# Altium PCB CATS-EUROC.PcbDoc (part 1 of 2) (continued)
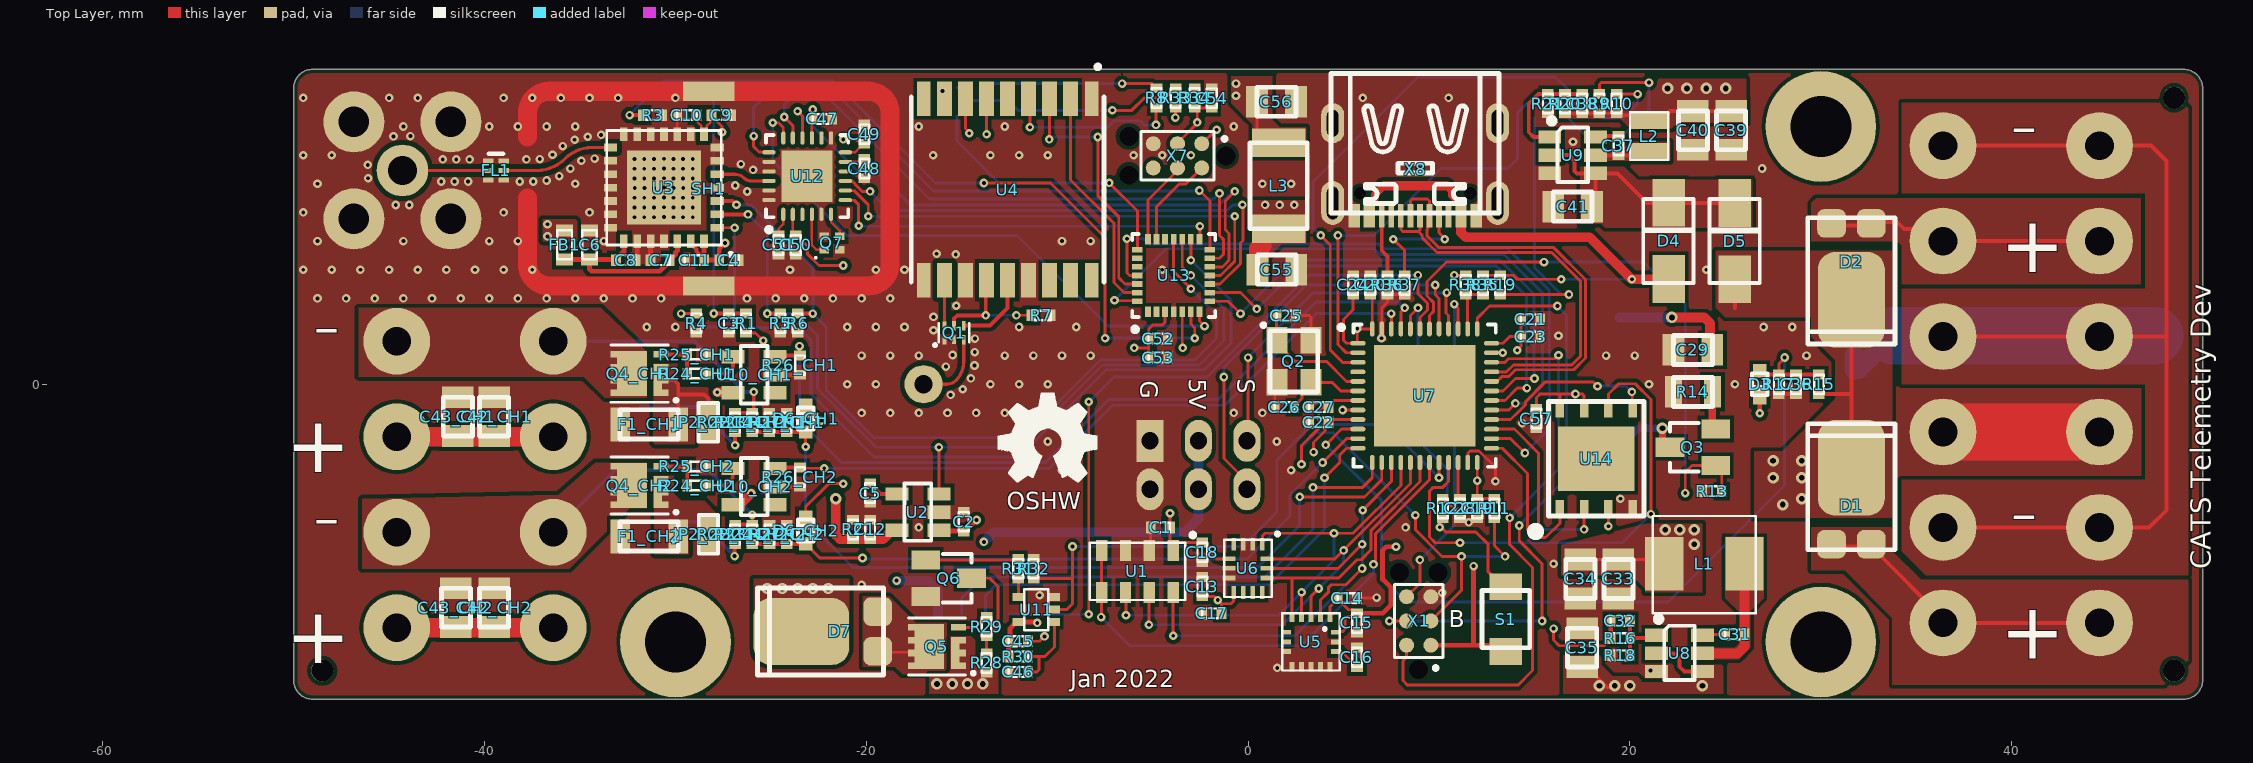
[diagram p0: Top Layer view]
## Components (designator, comment, footprint, x,y, rotation, side; value= is the part's Value field where it differs from the comment) (continued)
R25_CH1 "10k" "SMD Widerstand 0402" -28.876,1.559 r180 top (schematic designator R25)
R25_CH2 "10k" "SMD Widerstand 0402" -28.875,-4.305 r180 top (schematic designator R25)
R26_CH1 "10k" "SMD Widerstand 0402" -23.476,1 r90 top (schematic designator R26)
R26_CH2 "10k" "SMD Widerstand 0402" -23.475,-4.864 r90 top (schematic designator R26)
R27_CH1 "10k" "SMD Widerstand 0402" -24.176,-2 r270 top (schematic designator R27)
R27_CH2 "10k" "SMD Widerstand 0402" -24.175,-7.864 r270 top (schematic designator R27)
R28 "10k" "SMD Widerstand 0402" -13.7,-14.6 r270 top
R29 "1.0k" "SMD Widerstand 0402" -13.7,-12.7 r90 top
R30 "10k" "SMD Widerstand 0402" -12.039,-14.263 r180 top
R31 "1.0k" "SMD Widerstand 0402" -12.039,-9.663 r270 top
R32 "1.0k" "SMD Widerstand 0402" -11.239,-9.663 r270 top
R33 "1.0k" "SMD Widerstand 0402" -3.8,15 r270 top
R34 "10k" "SMD Widerstand 0402" -2.8,15 r90 top
R35 "5.1k" "SMD Widerstand 0402" 12.3,5.2 r270 top
R36 "5.1k" "SMD Widerstand 0402" 7.3,5.2 r90 top
R37 "5.1k" "SMD Widerstand 0402" 8.2,5.2 r90 top
R38 "10k" "SMD Widerstand 0402" 11.4,5.2 r90 top
S1 "SMD-Button" "SMD BUTTON 2.5X3X1.2" 13.5,-12.3 r0 top
SH1 "RF-Shield" "SMD SHIELD MS183-10" -28.25,10.25 r0 top locked
U1 "MS5607-02BA03" "SMD IC BARO MS5607" -5.8,-9.8 r270 top
U2 "TPS793285DBVR" "SMD IC SOT-23-5" -17.3,-6.7 r0 top
U3 "SKY65383-11" "SMD IC 28-MCM" -30.6,10.3 r180 top
U4 "MAX-8" "SMD MAX-8" -12.6,10.2 r180 top
U5 "ICM-20601" "SMD IC LGA-16 5/3" 3.292,-13.495 r270 top
U6 "LSM6DSO32" "SMD IC LGA-14" -0.008,-9.644 r270 top
U7 "STM32F411CEU6" "SMD IC QFN-48" 9.25,-0.6 r270 top
U8 "RT6254AHGJ6F" "SMD IC TSOT-23-6" 22.6,-14.1 r270 top
U9 "RT6254AHGJ6F" "SMD IC TSOT-23-6" 17,12 r270 top
U10_CH1 "TF0216-USQ" "SMD IC SOT-23-5" -25.876,0.5 r0 top (schematic designator U10)
U10_CH2 "TF0216-USQ" "SMD IC SOT-23-5" -25.875,-5.364 r0 top (schematic designator U10)
U11 "TC7S08FU,LF" "SMD IC SSOP5-P-0.65A (SOT353-1)" -11.1,-11.8 r0 top
U12 "SX1280IMLTRT" "SMD IC QFN-24" -23.1,10.9 r90 top
U13 "STM32G071GBU6" "SMD IC QFN-28 4x4" -3.9,5.7 r0 top
U14 "W25Q128JVPIM" "SMD IC WSON-8 (6x5)" 18.235,-3.9 r90 top
X1 "TC2030-CTX-NL" "SMD Connector TC2030" 8.935,-14.94 r90 top
X2 "WAGO 2604-1106" "THT PCB TERMINAL WAGO 2604-1106" 40.5,0 r90 bottom locked
X3 "WAGO 2604-1104" "THT PCB TERMINAL WAGO 2604-1104" -40.5,-5.25 r270 bottom locked
X4 "JST GH 5-Pin" "SMD Connector JST GH-5" -15,-13.5 r180 bottom
X5 "Servo Connector" "THT Stiftleiste 6-Pol (2x3) 90°" -2.6,-4.23 r0 bottom
X6 "SMA" "THT Buchse SMA Female" -44.3,11.2 r270 bottom locked
X7 "TC2030-CTX-NL" "SMD Connector TC2030" -1.16,11.965 r180 top
X8 "USB 2.0 Typ-C" "THT USB-C Socket (A40-00119)" 8.75,11.25 r0 top locked

## Footprints (in the part's own frame and the unit in brackets; to place one, negate y for a bottom-side part, rotate by r counter-clockwise, add the part's x,y. Pads: shape width x height; smd on the part's side, far side on the other; paste and mask are expansions set on the pad)
"SMD BUTTON 2.5X3X1.2" [mm] "SMD_LED_RED"
  rect 1.7x1.4 smd: 1(0,-1.7) 2(0,1.7)
  silkscreen extent -1.25,-1.5 1.25,1.5, body extent -1.25,-2 1.25,2, height 1.6
"SMD BUZZER CMT-8504" [mm]
  rect 2.5x2.5 smd: 1(-3.45,3.4) 2(-3.45,-3.4) NC(3.45,-3.4) NC(3.45,3.4)
  silkscreen extent -4.55,-4.2 4.25,6.2, body extent -4.3,-4.28 4.23,4.25, height 4
"SMD Connector JST GH-5" [mm]
  rect 0.6x1.25 smd: 1(-2.5,1.45) 2(-1.25,1.45) 3(0,1.45) 4(1.25,1.45) 5(2.5,1.45)
  rect 1x2.7 smd: NC(-4.35,-1.45) NC(4.35,-1.45)
  silkscreen extent -4.8,-2.9 4.8,1.6, body extent -4.75,-2.85 4.75,2, height 4.35
"SMD Connector TC2030" [mm]
  round 0.787 smd: 1(1.27,-0.635) 2(1.27,0.635) 3(2.54,-0.635) 4(2.54,0.635) 5(3.81,-0.635) 6(3.81,0.635)
  round 0.1 hole 0.991: NC(0,0) NC(5.08,-1.016) NC(5.08,1.016)
  silkscreen extent 0,-1.27 4.44,1.27
"SMD Crystal 1.2X1.0X0.35" [mm] "SMD_LED_RED"
  rect 0.5x0.4 smd: 1(-0.4,-0.35) 2(0.4,0.35) 3(-0.4,0.35) 3(0.4,-0.35)
  silkscreen extent -0.9,-0.82 -0.8,-0.73, body extent -0.6,-0.5 0.6,0.5, height 0.35
"SMD Crystal 3.2X2.5X0.8" [mm] "SMD_LED_RED"
  rect 1.4x1.1 smd: 1(-1.1,-0.9) 2(1.1,0.9) 3(-1.1,0.9) 3(1.1,-0.9)
  silkscreen extent -2,-1.7 1.6,1.25, body extent -1.65,-1.3 1.65,1.3, height 0.8
"SMD DIODE SMAF" [mm]
  rect 2.5x1.7 smd: A(2,0) K(-2,0)
  silkscreen extent -2.2,-1.33 2.2,1.3, body extent -2.65,-1.27 2.65,1.27, height 1
"SMD DIODE SOD-523" [mm] "SM LED; 2 Flat Leads"
  rect 0.7x0.7 smd: A(0.7,0) K(-0.7,0)
  silkscreen extent -0.58,-0.4 0.57,0.4, body extent -0.8,-0.4 0.8,0.4, height 0.7
"SMD DIODE TO-277" [mm]
  rrect50% 1.5x1.5 smd: A(3,1.04) A(3,-1.04)
  rrect50% 5x3.5 smd: K(-1,0)
  silkscreen extent -3.31,-2.29 3.29,2.29, body extent -3.32,-2.38 3.33,2.37, height 1.2
"SMD Elko 6.3x7.7" [mm]
  rect 3.5x1.5 smd: M(-2.6,0) P(2.6,0)
  silkscreen extent -3.5,-3.3 3.8,3.6, body extent -3.5,-3.3 3.5,3.3, height 7.7
"SMD Ferrite Bead 0402" [mil]
  rect 20x24 smd: 1(-20,0) 2(20,0)
  silkscreen extent -20,-10 20,10, body extent -20,-10 20,10, height 20
"SMD Ferrite Bead 0603" [mil]
  rect 25x35 smd: 1(-30,0) 2(30,0)
  silkscreen extent -30,-15 30,15, body extent -31,-16 31,16, height 33
"SMD Filter 2450LP14A100T" [mm]
  rect 0.55x0.25 smd: 1(-0.4,0.5) 2(-0.4,0) 3(-0.4,-0.5) 4(0.4,-0.5) 5(0.4,0) 6(0.4,0.5)
  silkscreen extent -0.38,-0.87 0.38,-0.87, body extent -0.5,-0.8 0.4,1.1, height 4.12
"SMD IC 28-MCM" [mm]
  rect 3.875x3.875 smd: 0(0,0)
  rect 0.7x0.4 smd: 1(-2.8,2.1) 2(-2.8,1.4) 3(-2.8,0.7) 4(-2.8,0) 5(-2.8,-0.7) 6(-2.8,-1.4) 7(-2.8,-2.1) 15(2.8,-2.1) 16(2.8,-1.4) 17(2.8,-0.7) 18(2.8,0) 19(2.8,0.7) 20(2.8,1.4) 21(2.8,2.1)
  rect 0.4x0.7 smd: 8(-2.1,-2.8) 9(-1.4,-2.8) 10(-0.7,-2.8) 11(0,-2.8) 12(0.7,-2.8) 13(1.4,-2.8) 14(2.1,-2.8) 22(2.1,2.8) 23(1.4,2.8) 24(0.7,2.8) 25(0,2.8) 26(-0.7,2.8) 27(-1.4,2.8) 28(-2.1,2.8)
  silkscreen extent -3.58,-3 3,3.58, body extent -3,-3 3,3, height 0.85
"SMD IC BARO MS5607" [mm]
  rect 1.1x0.6 smd: 1(-1.1,1.875) 2(-1.1,0.625) 3(-1.1,-0.625) 4(-1.1,-1.875) 5(1.1,-1.875) 6(1.1,-0.625) 7(1.1,0.625) 8(1.1,1.875)
  silkscreen extent -2,-2.5 1.5,3, body extent -1.5,-2.5 1.5,2.5, height 0.95
"SMD IC LGA-14" [mm]
  rect 0.675x0.25 smd: 1(-1.262,0.75) 2(-1.262,0.25) 3(-1.262,-0.25) 4(-1.262,-0.75) 8(1.263,-0.75) 9(1.263,-0.25) 10(1.263,0.25) 11(1.263,0.75)
  rect 0.25x0.675 smd: 5(-0.5,-1.004) 6(0,-1.004) 7(0.5,-1.004) 12(0.5,1.004) 13(0,1.004) 14(-0.5,1.004)
  silkscreen extent -1.86,-1.25 1.5,1.61, body extent -1.5,-1.25 1.5,1.25, height 0.84
"SMD IC LGA-16 5/3" [mm]
  rect 0.5x0.25 smd: 1(-1.3,1) 2(-1.3,0.5) 3(-1.3,0) 4(-1.3,-0.5) 5(-1.3,-1) 9(1.3,-1) 10(1.3,-0.5) 11(1.3,0) 12(1.3,0.5) 13(1.3,1)
  rect 0.25x0.5 smd: 6(-0.5,-1.3) 7(0,-1.3) 8(0.5,-1.3) 14(0.5,1.3) 15(0,1.3) 16(-0.5,1.3)
  silkscreen extent -1.5,-1.5 1.5,1.5, body extent -1.5,-1.5 1.5,1.5, height 1
"SMD IC QFN-24" [mm] "QFN, 24-Leads, Body 4x4mm, Pitch 0.5mm, Thermal Pad 2.68x2.68mm, IPC Medium Density"
  rect 2.68x2.68 smd: 0(0,0)
  oval 0.7x0.22 smd: 1(-2,1.25) 2(-2,0.75) 3(-2,0.25) 4(-2,-0.25) 5(-2,-0.75) 6(-2,-1.25) 13(2,-1.25) 14(2,-0.75) 15(2,-0.25) 16(2,0.25) 17(2,0.75) 18(2,1.25)
  oval 0.22x0.7 smd: 7(-1.25,-2) 8(-0.75,-2) 9(-0.25,-2) 10(0.25,-2) 11(0.75,-2) 12(1.25,-2) 19(1.25,2) 20(0.75,2) 21(0.25,2) 22(-0.25,2) 23(-0.75,2) 24(-1.25,2)
  silkscreen extent -2.92,-2.15 2.15,2.15, body extent -2,-2 2,2, height 0.9
"SMD IC QFN-28 4x4" [mm] "QFN, 28-Leads"
  rect 0.3x0.55 smd: 1(-1.35,-1.9) 2(-0.9,-1.9) 3(-0.45,-1.9) 4(0,-1.9) 5(0.45,-1.9) 6(0.9,-1.9) 7(1.35,-1.9) 15(1.35,1.9) 16(0.9,1.9) 17(0.45,1.9) 18(0,1.9) 19(-0.45,1.9) 20(-0.9,1.9) 21(-1.35,1.9)
  rect 0.55x0.3 smd: 8(1.9,-1.35) 9(1.9,-0.9) 10(1.9,-0.45) 11(1.9,0) 12(1.9,0.45) 13(1.9,0.9) 14(1.9,1.35) 22(-1.9,1.35) 23(-1.9,0.9) 24(-1.9,0.45) 25(-1.9,0) 26(-1.9,-0.45) 27(-1.9,-0.9) 28(-1.9,-1.35)
  silkscreen extent -2.17,-2.95 2.17,2.17, body extent -2,-2 2,2, height 0.8
"SMD IC QFN-48" [mm] "QFN, 48-Leads, Body 7x7mm, Pitch 0.5mm, IPC Medium Density"
  oval 0.25x0.8 smd: 1(-2.75,-3.5) 2(-2.25,-3.5) 3(-1.75,-3.5) 4(-1.25,-3.5) 5(-0.75,-3.5) 6(-0.25,-3.5) 7(0.25,-3.5) 8(0.75,-3.5) 9(1.25,-3.5) 10(1.75,-3.5) 11(2.25,-3.5) 12(2.75,-3.5) 25(2.75,3.5) 26(2.25,3.5) 27(1.75,3.5) 28(1.25,3.5) 29(0.75,3.5) 30(0.25,3.5) 31(-0.25,3.5) 32(-0.75,3.5) 33(-1.25,3.5) 34(-1.75,3.5) 35(-2.25,3.5) 36(-2.75,3.5)
  oval 0.8x0.25 smd: 13(3.5,-2.75) 14(3.5,-2.25) 15(3.5,-1.75) 16(3.5,-1.25) 17(3.5,-0.75) 18(3.5,-0.25) 19(3.5,0.25) 20(3.5,0.75) 21(3.5,1.25) 22(3.5,1.75) 23(3.5,2.25) 24(3.5,2.75) 37(-3.5,2.75) 38(-3.5,2.25) 39(-3.5,1.75) 40(-3.5,1.25) 41(-3.5,0.75) 42(-3.5,0.25) 43(-3.5,-0.25) 44(-3.5,-0.75) 45(-3.5,-1.25) 46(-3.5,-1.75) 47(-3.5,-2.25) 48(-3.5,-2.75)
  rect 5.3x5.3 smd: PAD(0,0)
  silkscreen extent -3.72,-4.5 3.72,3.72, body extent -3.51,-3.51 3.51,3.51, height 0.78
"SMD IC SOT-23-5" [mm]
  rect 1.2x0.7 smd: 1(1.1,-0.95) 2(1.1,0) 3(1.1,0.95) 4(-1.1,0.95) 5(-1.1,-0.95)
  silkscreen extent -0.7,-1.5 0.7,1.5, body extent -1.3,-1.5 1.2,1.5, height 1.1
"SMD IC SSOP5-P-0.65A (SOT353-1)" [mm]
  rect 0.6x0.42 smd: 1(0.95,-0.65) 2(0.95,0) 3(0.95,0.65) 4(-0.95,0.65) 5(-0.95,-0.65)
  silkscreen extent -0.64,-1.09 0.64,1.07, body extent -1.05,-1.08 1.05,1.07, height 0.93
"SMD IC TSOT-23-6" [mm] "SOT-223/SC-73; 4 Leads; Body 6.7 x 7.3 mm, inc. leads (LxW max)"
  rect 0.7x1.2 smd: 1(-0.95,-1.2) 2(0,-1.2) 3(0.95,-1.2) 4(0.95,1.2) 5(0,1.2) 6(-0.95,1.2)
  silkscreen extent -1.9,-1.2 1.4,0.8, body extent -1.5,-1.4 1.5,1.4, height 0.86
"SMD IC WSON-8 (6x5)" [mm]
  rect 0.9x0.45 smd: 1(-2.6,1.905) 2(-2.6,0.635) 3(-2.6,-0.635) 4(-2.6,-1.905) 5(2.6,-1.905) 6(2.6,-0.635) 7(2.6,0.635) 8(2.6,1.905)
  rect 3.4x4 smd: PAD(0,0)
  silkscreen extent -4.01,-2.5 3,3.37, body extent -3,-2.5 3,2.5, height 0.75
"SMD Inductor 2x2.5x1.2" [mm]
  rect 0.85x2 smd: 1(-0.8,0) 2(0.8,0)
  silkscreen extent -1.25,-1 1.25,1, body extent -1.25,-1 1.25,1, height 1.2
"SMD Inductor 5.5x5.2x3" [mm]
  rect 2x2.79 smd: 1(-2.1,0) 2(2.1,0)
  silkscreen extent -2.7,-2.5 2.7,2.6, body extent -2.73,-2.55 2.73,2.6, height 2.89
"SMD Inductor 1812" [mm]
  rect 1.5x2.8 smd: 1(-2.25,0) 2(2.25,0)
  silkscreen extent -2.25,-1.5 2.25,1.5, body extent -2.25,-1.6 2.25,1.6, height 3.2
"SMD Keramikkondensator 0402" [mil]
  rect 20x24 smd: 1(-20,0) 2(20,0)
  silkscreen extent -20,-10 20,10, body extent -20,-10 20,10, height 20
"SMD Keramikkondensator 0603" [mil]
  rect 25x35 smd: 1(-30,0) 2(30,0)
  silkscreen extent -30,-15 30,15, body extent -31,-16 32,16, height 32
"SMD Keramikkondensator 0805" [mil]
  rect 45x65 smd: 1(-40,0) 2(40,0)
  silkscreen extent -40,-30 40,30, body extent -39,-25 39,25, height 31
"SMD LED 0603" [mm] "SMD_LED_RED"
  rect 0.8x0.8 smd: A(0.8,0) K(-0.7,0)
  silkscreen extent -0.75,-0.4 0.85,0.4, body extent -0.79,-0.36 0.86,0.37, height 0.68
"SMD LNA AW5105DNR" [mm]
  rect 0.2x0.5 smd: 1(-0.5,-0.375) 3(0.5,-0.375) 4(0.5,0.375) 5(0,0.375)
  rect 0.2x0.45 smd: 2(0,-0.375) 6(-0.5,0.375)
  silkscreen extent -1.02,-0.67 0.8,0.5, body extent -0.75,-0.5 0.75,0.5, height 0.55
"SMD MAX-8" [mm]
  rect 0.7x1.8 smd paste-10: 1(-4.4,-4.75) 9(4.4,-4.75) 10(4.4,4.75) 18(-4.4,4.75)
  rect 0.8x1.8 smd paste-10: 2(-3.3,-4.75) 3(-2.2,-4.75) 4(-1.1,-4.75) 5(0,-4.75) 6(1.1,-4.75) 7(2.2,-4.75) 8(3.3,-4.75) 11(3.3,4.75) 12(2.2,4.75) 13(1.1,4.75) 14(0,4.75) 15(-1.1,4.75) 16(-2.2,4.75) 17(-3.3,4.75)
  silkscreen extent -5.05,-6.52 5.05,4.85, body extent -5.05,-4.85 5.05,4.85, height 2.5
"SMD MOSFET DFN 3x3 EP" [mm]
  rect 0.35x0.8 smd: D(-1.005,1.125) D(-0.335,1.125) D(0.335,1.125) D(1.005,1.125) G(1.005,-1.125) S(-1.005,-1.125) S(-0.335,-1.125) S(0.335,-1.125)
  rect 2.36x1.55 smd: D(0,0.4)
  rect 1.68x0.45 smd: S(-0.341,-0.947)
  silkscreen extent -1.5,-1.96 1.5,1.5, body extent -1.5,-1.63 1.5,1.5, height 0.5
"SMD MOSFET SOT-23" [mm]
  rect 1.5x1 smd: D(-1.2,0) G(1.2,-0.95) S(1.2,0.95)
  silkscreen extent -1.2,-1.28 0.3,1.27, body extent -1.2,-1.5 1.3,1.5, height 1.1
"SMD PPTC-Fuse 1206" [mil]
  rect 40x70 smd: 1(-60,0) 2(60,0)
  silkscreen extent -60,-30 60,30, body extent -63,-33 63,33, height 22
"SMD SHIELD MS183-10" [mm]
  rect 2.7x1 smd mask+0.102: 1(0,-5.1) 1(0,5.1)
  Top Layer lines w1: -9.5,-0.5 -9.5,-3.95 ccw(c-8.35,-3.95) -8.35,-5.1 8.35,-5.1 ccw(c8.35,-3.95) 9.5,-3.95 ; -9.5,2.7 -9.5,3.95 ; -9.5,3.95 ccw(c-9.5,3.95) -9.5,3.95 ; -9.5,3.95 cw(c-8.35,3.95) -8.35,5.1 8.35,5.1 cw(c8.35,3.95) 9.5,3.95 9.5,-3.95 ; 9.5,-3.95 ccw(c9.5,-3.95) 9.5,-3.95
  body extent -9.65,-5.25 9.65,5.25, height 3
"SMD Solder Jumper 1x2mm" [mm] "SOT-223/SC-73; 4 Leads; Body 6.7 x 7.3 mm, inc. leads (LxW max)"
  rect 0.9x0.9 smd: 1(-0.559,0) 2(0.559,0)
  silkscreen extent -1.02,-0.51 1.02,0.51
"SMD TRANSISTOR SOT-23" [mm]
  rect 1.5x1 smd: B(1.149,-0.95) C(-1.251,0) E(1.149,0.95)
  silkscreen extent -1.25,-1.28 0.25,1.27, body extent -1.25,-1.5 1.25,1.5, height 1.1
"SMD Widerstand 0402" [mil]
  rect 20x24 smd: 1(-20,0) 2(20,0)
  silkscreen extent -20,-10 20,10, body extent -20,-10 20,10, height 14
"SMD Widerstand 0805" [mil]
  rect 35x65 smd: 1(-40,0) 2(40,0)
  silkscreen extent -40,-30 40,30, body extent -45,-27 45,27, height 30
"THT Antenna GNSS 18x18" [mm]
  round 2 hole 0.95: 1(0,1.1)
  silkscreen extent -9,-9 9,9, body extent -9,-11 9,9, height 2.6
"THT Buchse SMA Female" [mm]
  round 2.7 hole 1.5: 1(0,0)
  round 3.2 hole 1.6: 2(-2.54,-2.54) 2(-2.54,2.54) 2(2.54,-2.54) 2(2.54,2.54)
  silkscreen extent -5,-4 5,16.5, body extent -5.1,-4 5.1,16.5, height 11.5
"THT PCB TERMINAL WAGO 2604-1104" [mm]
  round 3.5 hole 1.5: 1(-7.5,-4.1) 1(-7.5,4.1) 2(-2.5,-4.1) 2(-2.5,4.1) 3(2.5,-4.1) 3(2.5,4.1) 4(7.5,-4.1) 4(7.5,4.1)
  silkscreen extent -11.3,-6.9 11.1,9.6, body extent -11.3,-7 11.1,12.2, height 16.7
"THT PCB TERMINAL WAGO 2604-1106" [mm]
  round 3.5 hole 1.5: 1(-12.5,-4.1) 1(-12.5,4.1) 2(-7.5,-4.1) 2(-7.5,4.1) 3(-2.5,-4.1) 3(-2.5,4.1) 4(2.5,-4.1) 4(2.5,4.1) 5(7.5,-4.1) 5(7.5,4.1) 6(12.5,-4.1) 6(12.5,4.1)
  silkscreen extent -16.5,-6.9 15.5,9.6, body extent -16.25,-6.95 16.15,12.25, height 16.7
"THT Stiftleiste 6-Pol (2x3) 90°" [mm]
  rect 1.4x2.2 hole 0.9: 1(-2.54,-1.27)
  oval 1.4x2.2 hole 0.9: 2(-2.54,1.27) 3(0,-1.27) 4(0,1.27) 5(2.54,-1.27) 6(2.54,1.27)
  silkscreen extent -3.81,-2.54 3.81,12.19, body extent -3.81,-1.58 3.81,12.15, height 5.63
"THT USB-C Socket (A40-00119)" [mm]
  rect 0.6x1.25 smd: A1B12(3.2,-2.425) A4B9(2.4,-2.425) B1A12(-3.2,-2.425) B4A9(-2.4,-2.425)
  rect 0.3x1.25 smd: A5(1.25,-2.425) A6(0.25,-2.425) A7(-0.25,-2.425) A8(-1.25,-2.425) B5(-1.75,-2.425) B6(-0.75,-2.425) B7(0.75,-2.425) B8(1.75,-2.425)
  oval 1.2x2.1 hole 0.6 slot 1.4 at 90 deg: G1(4.32,2.425) G3(-4.32,2.425)
  oval 1.2x2.3 hole 0.6 slot 1.7 at 90 deg: G2(4.32,-1.755) G4(-4.32,-1.755)
  round 0 hole 0.65 unplated: NC(-2.89,-1.255) NC(2.89,-1.255)
  silkscreen extent -4.4,-2.27 4.4,5.03, body extent -4.35,-2.75 4.6,5, height 3.26

## Part data
ANT1: "1.575GHz GPS Ceramic Patch RF Antenna 1.573GHz ~ 1.577GHz 3.3dBic Pin Adhesive", ComponentLink1Description=Datasheet, ComponentLink1URL=https://abracon.com/patchantenna/APAE1575R1820ABDC1-T.pdf, Digikey=535-11944-ND
C1 C2 C3 C4 C9 C11 C12 C13 C17 C18 C20 C22 C23 C24 C27 C31 C37 C45 C47 C48 C53 C54 C57: library part "E6 - 100nF", "SMD Ceramic Capacitor E6", Number=-, Supplier=-, Unit Price=0.01
C5 C15 C36 C44_CH1 C44_CH2 C49 C51: library part "E6 - 10nF", "SMD Ceramic Capacitor E6", Number=-, Supplier=-, Unit Price=0.01
C6: library part "E6 - 10uF", "SMD Ceramic Capacitor E6", Number=-, Supplier=-, Unit Price=0.01
C7 C8 C10 C25 C26: library part "E6 - 10pF", "SMD Ceramic Capacitor E6", Number=-, Supplier=-, Unit Price=0.01
C14: library part "E6 - 2.2uF", "SMD Ceramic Capacitor E6", Number=-, Supplier=-, Unit Price=0.01
C16 C50: library part "E6 - 470nF", "SMD Ceramic Capacitor E6", Number=-, Supplier=-, Unit Price=0.01
C19: library part "E6 - 1uF", "SMD Ceramic Capacitor E6", Number=-, Supplier=-, Unit Price=0.01
C21 C28 C46 C52: library part "E6 - 4.7uF", "SMD Ceramic Capacitor E6", Number=-, Supplier=-, Unit Price=0.01
C29 C33 C34 C35 C39 C40 C41 C42_CH1 C42_CH2 C43_CH1 C43_CH2: library part "E6 - 22uF", "SMD Ceramic Capacitor E6", Number=-, Supplier=-, Unit Price=0.01
C30: "7.7mm 6.3mm 50V 47uF 2000hrs 105? -55?~+105? SMD,6.3x7.7mm Aluminum Electrolytic Capacitors - SMD ROHS", JLC=C125975, ComponentLink1Description=Datasheet, ComponentLink1URL=https://datasheet.lcsc.com/lcsc/1809301215_Nichicon-UWT1V101MCL1GS_C125975.pdf
C32 C38: library part "E6 - 47pF", "SMD Ceramic Capacitor E6", Number=-, Supplier=-, Unit Price=0.01
C55 C56: library part "E6 - 22nF", "SMD Ceramic Capacitor E6", Number=-, Supplier=-, Unit Price=0.01
D1 D2 D7: "45V 470mV@10A 10A TO-277 Schottky Barrier Diodes", JLC=C113945, ComponentLink1Description=Datasheet, ComponentLink1URL=https://datasheet.lcsc.com/lcsc/1810252210_MDD-Microdiode-Electronics--SL1045_C65021.pdf
D3 D6_CH1 D6_CH2: "SOD-523 Schottky Barrier Diode", JLC=C345957, ComponentLink1Description=Datasheet, ComponentLink1URL=https://datasheet.lcsc.com/lcsc/1912111437_Shikues-MSK4005_C345957.pdf
D4 D5: "3A SMAF Schottky Barrier Diode", JLC=C60396, ComponentLink1Description=Datasheet, ComponentLink1URL=https://datasheet.lcsc.com/lcsc/1809211527_MDD-Microdiode-Electronics--SL34F_C113938.pdf
F1_CH1 F1_CH2: library part nSMD100-16V, "16V 1A 100A 1.8A 1206 Resettable", JLC=C70082, ComponentLink1Description=Datasheet, ComponentLink1URL=https://datasheet.lcsc.com/lcsc/1810261625_TECHFUSE-nSMD100-16V_C70082.pdf
FB1: "1 kOhms @ 100MHz 1 Power Line Ferrite Bead 0603 (1608 Metric) 1A 200mOhm", ComponentLink1Description=Datasheet, ComponentLink1URL=https://www.murata.com/en-us/products/productdata/8796738650142/ENFA0003.pdf, Digikey=490-17349-1-ND
FL1: "2.45GHz Center Frequency Low Pass RF Filter (Radio Frequency) 100MHz Bandwidth 0.5dB 0603 (1608 Metric), 6 PC Pad", ComponentLink1Description=Datasheet, ComponentLink1URL=https://www.johansontechnology.com/datasheets/2450LP14A100/2450LP14A100.pdf, Digikey=712-1129-2-ND
JP1 JP2_CH1 JP2_CH2: library part Jumper-1, "Single Position Jumper"
L1: library part "Inductor 4.7µH / 4.5A", "4.7 µH Shielded Molded Inductor 4.5 A 60mOhm Max Nonstandard", JLC=C408410, ComponentLink1Description=Datasheet, ComponentLink1URL=https://www.vishay.com/docs/34260/ihlp2020cz11.pdf, Digikey=541-1238-2-ND
L2: library part "Inductor 3.3µH / 1.15A", "1.15A 3.3uH ±20% 144mO SMD Power Inductors", JLC=C98379, ComponentLink1Description=Datasheet, ComponentLink1URL=https://datasheet.lcsc.com/lcsc/2110081330_Sunlord-SPH252012H3R3MT_C98379.pdf, Digikey=732-5680-2-ND
L3: library part "Inductor 100µH / 0.25A", "0.25A 100µH ±20% 144mO SMD Power Inductors", JLC=C76822, ComponentLink1Description=Datasheet, ComponentLink1URL=https://datasheet.lcsc.com/lcsc/2110081330_Sunlord-SPH252012H3R3MT_C98379.pdf
LS1: "Buzzers Indicator, Internally Driven Piezo 12V 10mA 3kHz 100dB @ 12V, 10cm Through Hole PC Pins", ComponentLink1Description=Datasheet, ComponentLink1URL=https://dbunlimitedco.com/images/product_images/2D-Drawings/IP303012-1.pdf, Digikey=2104-IP303012-1-ND
P1 P2 P3 P4 P5_CH1 P5_CH2 P6: "Color LED"
Q1: "BDS/GPS/GNSS INTEGRATED FRONT-END MODULE WITH / LOW NOISE AMPLIFIER AND FILTER", JLC=C506193, ComponentLink1Description=Datasheet, ComponentLink1URL=https://datasheet.lcsc.com/lcsc/2008041805_AWINIC-Shanghai-Awinic-Tech-AW5105DNR_C506193.pdf
Q2: library part Crystal, "SMD Crystal Resonators 8MHz ±10ppm SMD,3.2x2.5mm", JLC=C2682775, Digikey=535-15255-1-ND
Q3: "MOSFET N-Channel 20V / 115mA", JLC=C15127, ComponentLink1Description=Datasheet, ComponentLink1URL=https://www.onsemi.com/pub/Collateral/NDS7002A-D.PDF, Digikey=2N7002NCT-ND, Item Description="N-Channel MOSFET", Price=0.32
Q4_CH1 Q4_CH2: "N-Channel 30V 30A Surface Mount 8-DFN (3x3)", JLC=C315567, ComponentLink1Description=Datasheet, ComponentLink1URL=https://datasheet.lcsc.com/lcsc/1912111437_Alpha---Omega-Semicon-AON7544_C315567.pdf
Q5: "30V 16A 35W", JLC=C193982, ComponentLink1Description=Datasheet, ComponentLink1URL=https://datasheet.lcsc.com/lcsc/1809251724_GOFORD-G16P03_C193982.pdf
Q6: "40 V, 200 mA NPN switching transisto", JLC=C8667, ComponentLink1Description=Datasheet, ComponentLink1URL=https://datasheet.lcsc.com/lcsc/2105201004_Nexperia-PMBT3904-215_C8667.pdf
Q7: library part "Crystal 52MHz - R1210", "52 MHz ±7ppm Crystal 5pF 100 Ohms 4-SMD, No Lead", ComponentLink1Description=Datasheet, ComponentLink1URL=https://www.diodes.com/assets/Datasheets/FL.pdf, Digikey=2151-R1210-52.000-5-F-0710-TR-ND
R1 R2 R4 R5 R6 R7 R11 R12 R13 R17 R25_CH1 R25_CH2 R26_CH1 R26_CH2 R27_CH1 R27_CH2 R28 R30 R34 R38: library part "E24 - 10k", "SMD Chip Resistor E24", Number=-, Supplier=-, Unit Price=0.01
R3: library part NCU15XH103F6SRC, "10kO -40?~+125? 3455K 0.1mA 3434K ±1% 3380K ±1% 0402 NTC Thermistors", JLC=C333993, ComponentLink1Description=Datasheet, ComponentLink1URL=https://datasheet.lcsc.com/lcsc/1912111437_Murata-Electronics-NCU15XH103F6SRC_C333993.pdf
R8 R9 R10 R19 R29 R31 R32 R33: library part "E24 - 1.0k", "SMD Chip Resistor E24", Number=-, Supplier=-, Unit Price=0.01
R14: library part "E24 - 100", "SMD Chip Resistor E24", Number=-, Supplier=-, Unit Price=0.01
R15 R20 R23_CH1 R23_CH2: library part "E24 - 91k", "SMD Chip Resistor E24", Number=-, Supplier=-, Unit Price=0.01
R16: library part "E96 - 147k", "SMD Chip Resistor E96", Number=-, Supplier=-, Unit Price=0.01
R18 R21: library part "E96 - 20k", "SMD Chip Resistor E96", Number=-, Supplier=-, Unit Price=0.01
R22_CH1 R22_CH2: library part "E24 - 36k", "SMD Chip Resistor E24", Number=-, Supplier=-, Unit Price=0.01
R24_CH1 R24_CH2: library part "E24 - 270", "SMD Chip Resistor E24", Number=-, Supplier=-, Unit Price=0.01
R35 R36 R37: library part "E24 - 5.1k", "SMD Chip Resistor E24", Number=-, Supplier=-, Unit Price=0.01
S1: library part "Button 3mmx2.5mm", "Button SPST", LCSC=C128937, Digikey=SW1020TR-ND
SH1: library part "RF-Shield 18x10mm", "RF Shield Shield, 1-Piece 0.413\" (10.50mm) X 0.720\" (18.30mm) Non-Vented Solder", ComponentLink1Description=Datasheet, ComponentLink1URL=https://www.masach.com/media/catalog/product/file/MS183-10.pdf, Digikey=2333-MS183-10S-ND
U1: "Barometric Pressure Sensor, with stainless / steel cap", ComponentLink1Description=Datasheet, ComponentLink1URL=https://www.te.com/commerce/DocumentDelivery/DDEController?Action=srchrtrv&DocNm=MS5607-02BA03&DocType=Data+Sheet&DocLang=English, Digikey=223-1198-1-ND
U2: "Linear Voltage Regulator IC Positive Fixed 1 Output  200mA SOT-23-5 2.85V", ComponentLink1Description=Datasheet, ComponentLink1URL=https://media.digikey.com/pdf/Data%20Sheets/Texas%20Instruments%20PDFs/TPS793_Rev2015.pdf, Digikey=296-12157-1-ND
U3: "2400 to 2483 MHz Transmit/Receive / Front-End Module +30dBm", ComponentLink1Description=Datasheet, ComponentLink1URL=https://www.skyworksinc.com/-/media/SkyWorks/Documents/Products/2901-3000/SKY65383-11_202668G.pdf, Digikey=863-1798-1-ND
U4: "u-blox 8 GNSS modules", JLC=C90770, ComponentLink1Description=Datasheet, ComponentLink1URL=https://www.u-blox.com/sites/default/files/MAX-8_DataSheet_%28UBX-16000093%29.pdf, Digikey=672-MAX-8C-0TR-ND
U5: "World’s First Wide-Range 6-Axis MotionTracking Device for High Speed Applications", ComponentLink1Description=Datasheet, ComponentLink1URL=https://www.invensense.com/wp-content/uploads/2015/12/DS-000184-ICM-20600-v1.0.pdf, Digikey=1428-1058-1-ND
U6: "iNEMO inertial module / ±4/±8/±16/±32 g  / ±125/±250/±500/±1000/±2000 dps", ComponentLink1Description=Datasheet, ComponentLink1URL=https://www.st.com/resource/en/datasheet/lsm6dso32.pdf, Digikey=497-LSM6DSO32CT-ND, Farnell=3527117, Mouser=511-LSM6DSO32TR
U7: "ARM® Cortex®-M4 series Microcontroller IC 32-Bit 100MHz 512KB (512K x 8) FLASH 48-UFQFPN (7x7)", JLC=C60420, ComponentLink1Description=Datasheet, ComponentLink1URL=https://datasheet.lcsc.com/lcsc/1809291612_STMicroelectronics-STM32F411CEU6_C60420.pdf, Digikey=497-14907-ND
U8 U9: "Buck Switching Regulator IC Positive Adjustable 0.6V 1 Output 4A SOT-23-6 Thin, TSOT-23-6", ComponentLink1Description=Datasheet, ComponentLink1URL=https://www.richtek.com/assets/product_file/RT6254A=RT6254B/DS6254AB-02.pdf, Digikey=RT6255AHGJ6FCT-ND
U10_CH1 U10_CH2: "SOT-23-5L Gate Drive IC", JLC=C2683769, ComponentLink1Description=Datasheet, ComponentLink1URL=https://datasheet.lcsc.com/lcsc/2106070334_TFSS-TF0216-USQ_C2683769.pdf
U11: "AND Gate SSOP5-P-0.65A", JLC=C113521, ComponentLink1Description=Datasheet, ComponentLink1URL=https://datasheet.lcsc.com/lcsc/1811082031_TOSHIBA-TC7S08FU-LF_C146362.pdf
U12: "Long Range, Low Power, 2.4 GHz / Transceiver with Ranging Capability", ComponentLink1Description=Datasheet, ComponentLink1URL=https://media.digikey.com/pdf/Data%20Sheets/Semtech%20PDFs/SX1280-81_Rev3.2_Mar2020.pdf, Digikey=SX1280IMLTRTCT-ND
U13: "ARM® Cortex®-M0+ series Microcontroller IC 32-Bit 64MHz 128KB (128K x 8) FLASH 28-UFQFPN (4x4)", JLC=C529347, ComponentLink1Description=Datasheet, ComponentLink1URL=https://media.digikey.com/pdf/Data%20Sheets/ST%20Microelectronics%20PDFS/STM32G071_Rev1_DS.pdf, Digikey=497-18343-ND
U14: "3V 128M-BIT / SERIAL FLASH MEMORY WITH / DUAL/QUAD SPI & QPI & DTR", JLC=C190862, ComponentLink1Description=Datasheet, ComponentLink1URL=https://www.winbond.com/resource-files/w25q128jv_dtr%20revc%2003272018%20plus.pdf, Digikey=W25Q128JVPIM-ND
X1 X7: "Tag-Connect for ARM-Cortex (6-Pin)"
X2 X3: "PCB terminal blocks with levers and Push-in CAGE CLAMP® connection", ComponentLink1Description=Datasheet, ComponentLink1URL=https://www.wago.com/us/pcb-interconnect/pcb-terminal-block/p/2604-1106
X4: "Connector Header Surface Mount, Right Angle 4 position 0.049\" (1.25mm)", ComponentLink1Description=Datasheet, ComponentLink1URL=https://www.jst-mfg.com/product/pdf/eng/eGH.pdf
X5: library part "Servo Connector Dual", "6 Pin header for PWM servos"
X6: library part "SMA Connector", "Female SMA Connector THT", Digikey=931-1361-ND
X8: library part "USB Type-C USB 2.0", "Typ-C", aliExpress=33045191307, Digikey=2073-USB4105-GF-ACT-ND, Farnell=3583366

## Free pads (board coordinates)
  round 1.152 hole 1.152 unplated paste+1.152 mask+0.148: NC(-48.5,-15) NC(48.5,-15) NC(48.5,15)
  round 5.8 hole 3.2: NC(-30,-13.5) NC(30,-13.5) NC(30,13.5)

## Via types
v1: diameter 0.45, hole 0.2, Top Layer to Bottom Layer, tented both sides, 383 vias
v2: diameter 0.6, hole 0.3, Top Layer to Bottom Layer, tented both sides, 30 vias

## Nets (pads, with @x,y where several pads share a name; then routed paths per layer and width w, separated by ;. In a path a pad name is that pad's centre, name@x,y a point inside that pad or via, vN(x,y) a via of type N, cw(c..) or ccw(c..) an arc to the next point about the centre after c; other vN are vias at no path point)
2V85: C4.2 C11.2 C12.2 R2.2 U2.5 U3.27 U3.28 | length 25.2
  Top Layer w0.203: U3.27@-29.2,7.5 -29.2,7.35 -28.9,7.05 -28.9,6.959 -28.5,6.559 -28.492,6.551 C11.2@-28.492,6.5
  Top Layer w0.254: C11.2@-28.5,6.559 U3.28@-28.5,7.5 ; C11.2@-28.492,6.5 C4.2@-27.708,6.5 -27.708,7.092 v1(-27.4,7.4)
  Top Layer w0.508: v2(-21.6,-6) -21.6,-7.9 -21.392,-8.108 R2.2@-20.7,-8.108 C12.2@-19.8,-8.108 -19.108,-8.108 -18.65,-7.65 U2.5@-18.4,-7.65
  Mid Layer 1 w0.508: v1(-27.4,7.4) -26.9,6.9 -26.9,-0.7 v2(-21.6,-6)
3V3: C1.2 C2.2 C13.2 C14.2 C15.2 C17.2 C18.2 C19.2 C20.2 C21.2 C22.2 C23.2 C24.2 C38.2 C39.2 C40.2 C45.2 C48.2 C52.2 C53.2 C55.2 C57.2 D3.K D6_CH1.K D6_CH2.K FB1.2 L2.2 L3.1 R1.2 R9.2 R10.2 R11.2 R20.2 R30.2 R33.2 R34.2 S1.1 U1.1 U2.1 U4.6 U4.7 U5.1 U5.16 U6.5 U6.8 U7.1 U7.9 U7.24 U7.36 U7.48 U11.5 U12.11 U13.3 U14.3 U14.7 U14.8 X1.1 X7.1 | length 86.3
  Top Layer w0.127: U12.11@-21.1,11.65 C48.2@-20.258,11.65
  Top Layer w0.152: R1.2@-26.3,2.692 -25.806,2.692 v1(-25.4,2.286) ; D6_CH1.K@-23.176,-1.1 -22.371,-1.905 v1(-22.352,-1.905) ; D6_CH2.K@-23.175,-6.964 -23.175,-6.411 -21.971,-5.207 v1(-21.209,-5.207) ; v1(-20.1,11.464) C48.2@-20.1,11.808 ; U4.7@-14.8,14.95 -14.8,13.403 -14.605,13.208 v1(-14.605,13.144) ; v1(-13.7,13.097) U4.6@-13.7,14.95 ; v1(-5.969,1.905) -5.208,1.905 ; C53.2@-5.208,1.5 -5.208,1.905 ; U13.3@-4.35,3.8 -4.35,3.25 -4.5,3.1 -5,3.1 -5.208,2.892 -5.208,1.905 ; v1(-4.092,-6.759) C1.2@-4.092,-7.5 -4.092,-8.533 U1.1@-3.925,-8.7 -3.925,-8.516 -3.701,-8.292 -3.051,-8.292 ; v1(-3.81,13.97) -3.81,14.498 R34.2@-2.8,15.508 -2.851,15.508 R34.2@-3.029,15.33 ; R33.2@-3.8,14.492 R33.2@-3.749,14.492 ; -3.048,-8.295 -3.051,-8.292 ; C13.2@-2.451,-11.108 C13.2@-2.4,-11.108 -1.792,-11.108 -1.4,-11.5 -0.9,-11.5 -0.758,-11.358 U6.8@-0.758,-10.906 ; X7.1@-2.43,12.6 -2.386,12.6 -2.386,12.622 -1.673,13.335 v1(-1.651,13.335) ; C17.2@-1.392,-12 -1.392,-11.508 ; U6.5@-1.012,-9.144 -1.656,-9.144 -1.914,-8.886 -1.914,-8.728 -2.349,-8.292 C18.2@-2.4,-8.292 -3.051,-8.292 ; v1(3.429,-3.556) 3.429,-3.048 4.03,-2.447 4.03,-2.178 C22.2@4.208,-2 4.358,-1.85 U7.9@5.75,-1.85 ; U5.1@4.292,-12.195 4.292,-11.651 C14.2@4.692,-11.251 ; U5.16@4.592,-12.995 4.641,-12.946 4.961,-12.946 5.08,-12.827 5.08,-12.319 5.229,-12.17 5.522,-12.17 C15.2@5.7,-11.992 5.522,-11.814 5.255,-11.814 C14.2@4.692,-11.251 ; C14.2@4.692,-11.2 C14.2@4.692,-11.251 ; C24.2@5.5,4.692 5.5,3.9 5,3.4 5,2.3 5.15,2.15 U7.1@5.75,2.15 5.715,2.185 v1(5.715,2.921) 5.736,2.9 U7.48@6.5,2.9 6.5,4.592 C20.2@6.4,4.692 ; U7.24@12,-4.1 v1(12,-5.046) C19.2@12,-5.992 R11.2@12.9,-5.992 ; U7.36@12.75,2.15 13.35,2.15 13.7,2.5 C23.2@14.292,2.5 ; v1(14.097,1.778) 14.292,1.973 C23.2@14.292,2.5 ; C21.2@14.292,3.4 C23.2@14.292,2.5 ; C57.2@15.1,-1.292 15.1,-0.7 15.3,-0.5 16.4,-0.5 ; U14.8@16.33,-1.3 16.33,-0.57 16.4,-0.5 ; U14.7@17.6,-1.3 17.6,-0.6 17.5,-0.5 16.4,-0.5 ; R9.2@18.4,14.192 R10.2@19.3,14.192 ; v1(18.87,-7.44) U14.3@18.87,-6.5
  Top Layer w0.203: R20.2@16.7,14.192 C38.2@17.5,14.192 C38.2@17.6,14.192 ; C38.2@17.7,14.192 R9.2@18.4,14.192 ; R10.2@19.3,14.192 R10.2@19.5,14.192 ; R10.2@19.5,14.092 20.708,14.092 L2.2@21,13.8 21.575,13.8 22.091,14.316 C40.2@23.3,14.316 C39.2@25.3,14.316
  Top Layer w0.254: U2.1@-16.2,-7.65 -16.171,-7.679 -14.929,-7.679 C2.2@-14.9,-7.708 -14.849,-7.708 -14.253,-7.112 v1(-14.224,-7.112) ; R30.2@-12.547,-14.263 C45.2@-12.547,-13.463 -12.467,-13.383 -12.467,-12.777 -12.14,-12.45 U11.5@-12.05,-12.45 -11.097,-12.45 v1(-11.049,-12.498) ; C15.2@5.7,-11.992 7.058,-11.992 7.493,-11.557 7.493,-10.668 7.047,-10.221 7.047,-8.701 7.239,-8.509 v1(7.747,-8.509) ; X1.1@9.57,-13.67 11.811,-13.67 ; v1(11.811,-9.525) 11.811,-13.67 ; S1.1@13.5,-14 13.17,-13.67 11.811,-13.67 ; v1(26.8,-1.521) D3.K@26.8,-0.7
  Top Layer w1.016: C55.2@0.484,6 0.548,6.064 0.548,7.097 0.708,7.258 0.708,7.908 0.95,8.15 L3.1@1.6,8.15
  Mid Layer 2 w0.254: 26.797,0.508 26.797,-1.518 v1(26.8,-1.521)
  other v1: -1.596,-11.304 17.145,-0.508 -36.703,7.747 -36.703,8.382 0.889,9.398 1.651,9.398 2.413,9.398
  other v2: 21.971,15.494 22.987,15.494 24.003,15.494 25.019,15.494
3V3A: C9.2 C10.2 C47.2 C56.2 L3.2 U3.8 U4.8 U12.15 | length 11.3
  Top Layer w0.127: C10.2@-28.892,14.1 -28.829,14.037 -28.829,13.716 -28.637,13.524 -28.637,13.236 U3.8@-28.5,13.1 -28.364,13.236 -28.364,13.524 -28.171,13.716 -28.171,14.037 C9.2@-28.108,14.1 ; U12.15@-22.85,12.9 -22.85,13.858 C47.2@-22.808,13.9
  Top Layer w0.152: C9.2@-28.108,14.1 -28.108,14.049 -27.559,13.5 v1(-27.559,13.208) ; C47.2@-22.808,13.9 v1(-22.808,14.392) ; C56.2@0.468,14.8 0.468,13.324 1.142,12.65 L3.2@1.6,12.65
  Mid Layer 2 w0.508: v1(-27.559,13.208) -27.559,15.494 -27.432,15.621 ; v1(-22.808,14.392) -22.808,15.292 -22.733,15.367
  other v1: -0.635,15.113 -16.002,15.367 -0.635,15.748
5V: C29.2 C32.2 C33.2 C34.2 L1.2 LS1.1 R16.2 U10_CH1.5 U10_CH2.5 X4.4 X5.3 X5.4 | length 63.1
  Top Layer w0.152: v1(16,-12.8) 16,-13.4 16.3,-13.7 18.643,-13.7 18.992,-13.351 R16.2@18.992,-13.3 ; C34.2@17.4,-9.184 C33.2@19.4,-9.184 21.584,-9.184 L1.2@21.8,-9.4
  Top Layer w0.254: R16.2@18.992,-13.3 C32.2@18.992,-12.4
  Top Layer w0.508: v1(-27.813,-0.414) U10_CH1.5@-27.262,-0.414 ; U10_CH2.5@-26.975,-6.314 -26.634,-6.314 v1(-26.035,-5.715) ; v2(22.2,3.5) 23.9,3.5 24.198,3.202 24.198,1.918 C29.2@24.316,1.8 ; U10_CH1.5@-27.262,-0.414 -27.226,-0.45 U10_CH1.5@-26.976,-0.45 -27.012,-0.414 U10_CH1.5@-27.262,-0.414
  Mid Layer 2 w0.508: v1(-27.813,-0.414) -27.813,-3.937 v1(-26.035,-5.715) -23.749,-5.715 -21.209,-8.255 -18.415,-8.255 ; v1(-18.415,-10.287) -18.415,-8.255 ; v1(-13.843,-8.255) -18.415,-8.255
  Mid Layer 2 w1.27: X5.3@-2.6,-2.96 X5.4@-2.6,-5.5 -2.6,-6.925 -2.286,-7.239
  Bottom Layer w0.508: v1(-18.415,-10.287) -16.764,-10.287 -16.25,-10.801 X4.4@-16.25,-12.05 ; v1(-13.843,-8.255) -13.335,-7.747 -3.302,-7.747 -2.6,-7.045 X5.4@-2.6,-5.5 X5.3@-2.6,-2.96 ; LS1.1@19.45,3.5 v2(22.2,3.5)
  other v2: 23.368,-8.382 21.844,-7.62 22.606,-7.62 23.368,-7.62
BGND: JP1.2 X2.2 X2.4 X2.6 | length 69.4
  Top Layer w0.203: X2.2@36.4,-7.5 X2.2@44.6,-7.5 47.2,-7.5 48.1,-6.6 48.1,2.5 ; X2.4@36.4,2.5 X2.4@44.6,2.5 48.1,2.5 ; X2.6@36.4,12.5 X2.6@44.6,12.5 47.3,12.5 48.1,11.7 48.1,2.5
  Bottom Layer w1.016: JP1.2@31.75,0.762 31.75,1.524 ; JP1.2@31.979,0.787 32.588,1.397
  Bottom Layer w3: 33.782,2.54 47.498,2.54
BUSY: U12.7 U13.15 | length 20.5
  Top Layer w0.152: U12.7@-21.1,9.65 -21.087,9.637 -20.637,9.637 -20.4,9.4 v1(-20.4,8.3) ; U13.15@-2.55,7.6 -2.525,7.625 v1(-2.525,8.275)
  Bottom Layer w0.152: v1(-20.4,8.3) -20.375,8.275 v1(-2.525,8.275)
BUZZER: Q3.G R13.2 U7.42 | length 31.8
  Top Layer w0.152: U7.42@9.5,2.9 9.5,3.6 9.7,3.8 9.7,4.3 9.372,4.628 9.372,5.377 10.394,6.4 v1(15.5,6.4) ; v1(22.9,-5.7) 22.9,-4.6 23.25,-4.25 Q3.G@24.5,-4.25 24.808,-4.558 R13.2@24.808,-5.6
  Bottom Layer w0.152: v1(15.5,6.4) 20.711,6.4 22.9,4.211 v1(22.9,-5.7)
CS: U12.19 U13.14 | length 32.3
  Top Layer w0.152: v1(-25.9,13) -25.9,12.447 -25.616,12.163 -25.113,12.163 U12.19@-25.1,12.15 ; v1(-2.551,10.149) -2,9.598 U13.14@-2,7.05
  Bottom Layer w0.152: v1(-25.9,13) -25.9,14.5 -24.9,15.5 -21.85,15.5 -16.477,10.127 -14.035,10.127 -14.02,10.113 -13.666,10.113 -13.651,10.127 -7.458,10.127 -7.452,10.122 -7.098,10.122 -7.092,10.127 -2.573,10.127 v1(-2.551,10.149)
CS_BARO: U1.4 U1.5 U7.19 | length 27
  Top Layer w0.152: v1(-7.7,-12.2) -7.675,-12.175 U1.5@-7.675,-10.9 U1.4@-7.675,-8.7 ; v1(6.568,-9.435) 6.682,-9.32 6.682,-7.818 9.5,-5 U7.19@9.5,-4.1
  Bottom Layer w0.152: v1(-7.7,-12.2) -6.2,-13.7 2.781,-13.7 6.568,-9.913 v1(6.568,-9.435)
CS_IMU: U5.5 U6.12 U7.18 | length 13.7
  Top Layer w0.152: U6.12@0.996,-10.144 2.3,-10.144 ; U5.5@2.292,-12.195 2.292,-10.152 2.3,-10.144 ; U7.18@9,-4.1 9,-5.1 6.428,-7.672 6.428,-8.685 5.922,-9.191 5.695,-9.191 4.742,-10.144 2.3,-10.144
DIO1: U12.8 U13.11 | length 25.3
  Top Layer w0.152: U12.8@-21.1,10.15 -21.087,10.137 -20.637,10.137 -19.9,9.4 v1(-19.9,8.8) ; U13.11@-2,5.7 -1.441,5.7 -0.7,6.441 v1(-0.7,8.8)
  Bottom Layer w0.152: v1(-19.9,8.8) v1(-0.7,8.8)
DIO2: U12.9 U13.10 | length 26.8
  Top Layer w0.152: U12.9@-21.1,10.65 -21.087,10.637 -20.737,10.637 -20.583,10.483 -20.583,10.464 -20.218,10.1 v1(-19.8,10.1) ; U13.10@-2,5.25 -1.467,5.25 -0.4,6.317 -0.4,7.4 -0.272,7.528 -0.272,9.372 v1(-0.3,9.4)
  Bottom Layer w0.152: v1(-19.8,10.1) -18.8,9.1 -1.1,9.1 -0.8,9.4 v1(-0.3,9.4)
FE_EN: R4.2 U3.1 U13.16 | length 49.1
  Top Layer w0.152: v1(-29.7,3.7) -28.908,3.7 R4.2@-28.9,3.708 ; U3.1@-27.8,8.2 v1(-26.9,8.2) ; v1(-3,6.5) U13.16@-3,7.6
  Bottom Layer w0.152: v1(-29.7,3.7) -29,3 -27.5,3 -26.9,3.6 ; v1(-26.9,8.2) -26.9,3.6 ; v1(-3,6.5) -0.889,4.389 -0.889,2.159 -2.286,0.762 -7.438,0.762 -12,-3.8 -19.6,-3.8 -22.9,-0.5 -22.9,2.3 -23.55,2.95 -26.25,2.95 -26.9,3.6
FLASH_CS: U7.25 U14.1 | length 8.3
  Top Layer w0.152: U7.25@12.75,-3.35 13.31,-3.35 14.628,-4.669 14.628,-7.634 15.023,-8.028 15.585,-8.028 16.33,-7.283 U14.1@16.33,-6.5